# Allegro board A733_PRO2_AXP318_LPDDR4_4X_200BALL_32X1_V1_1.brd (continued)
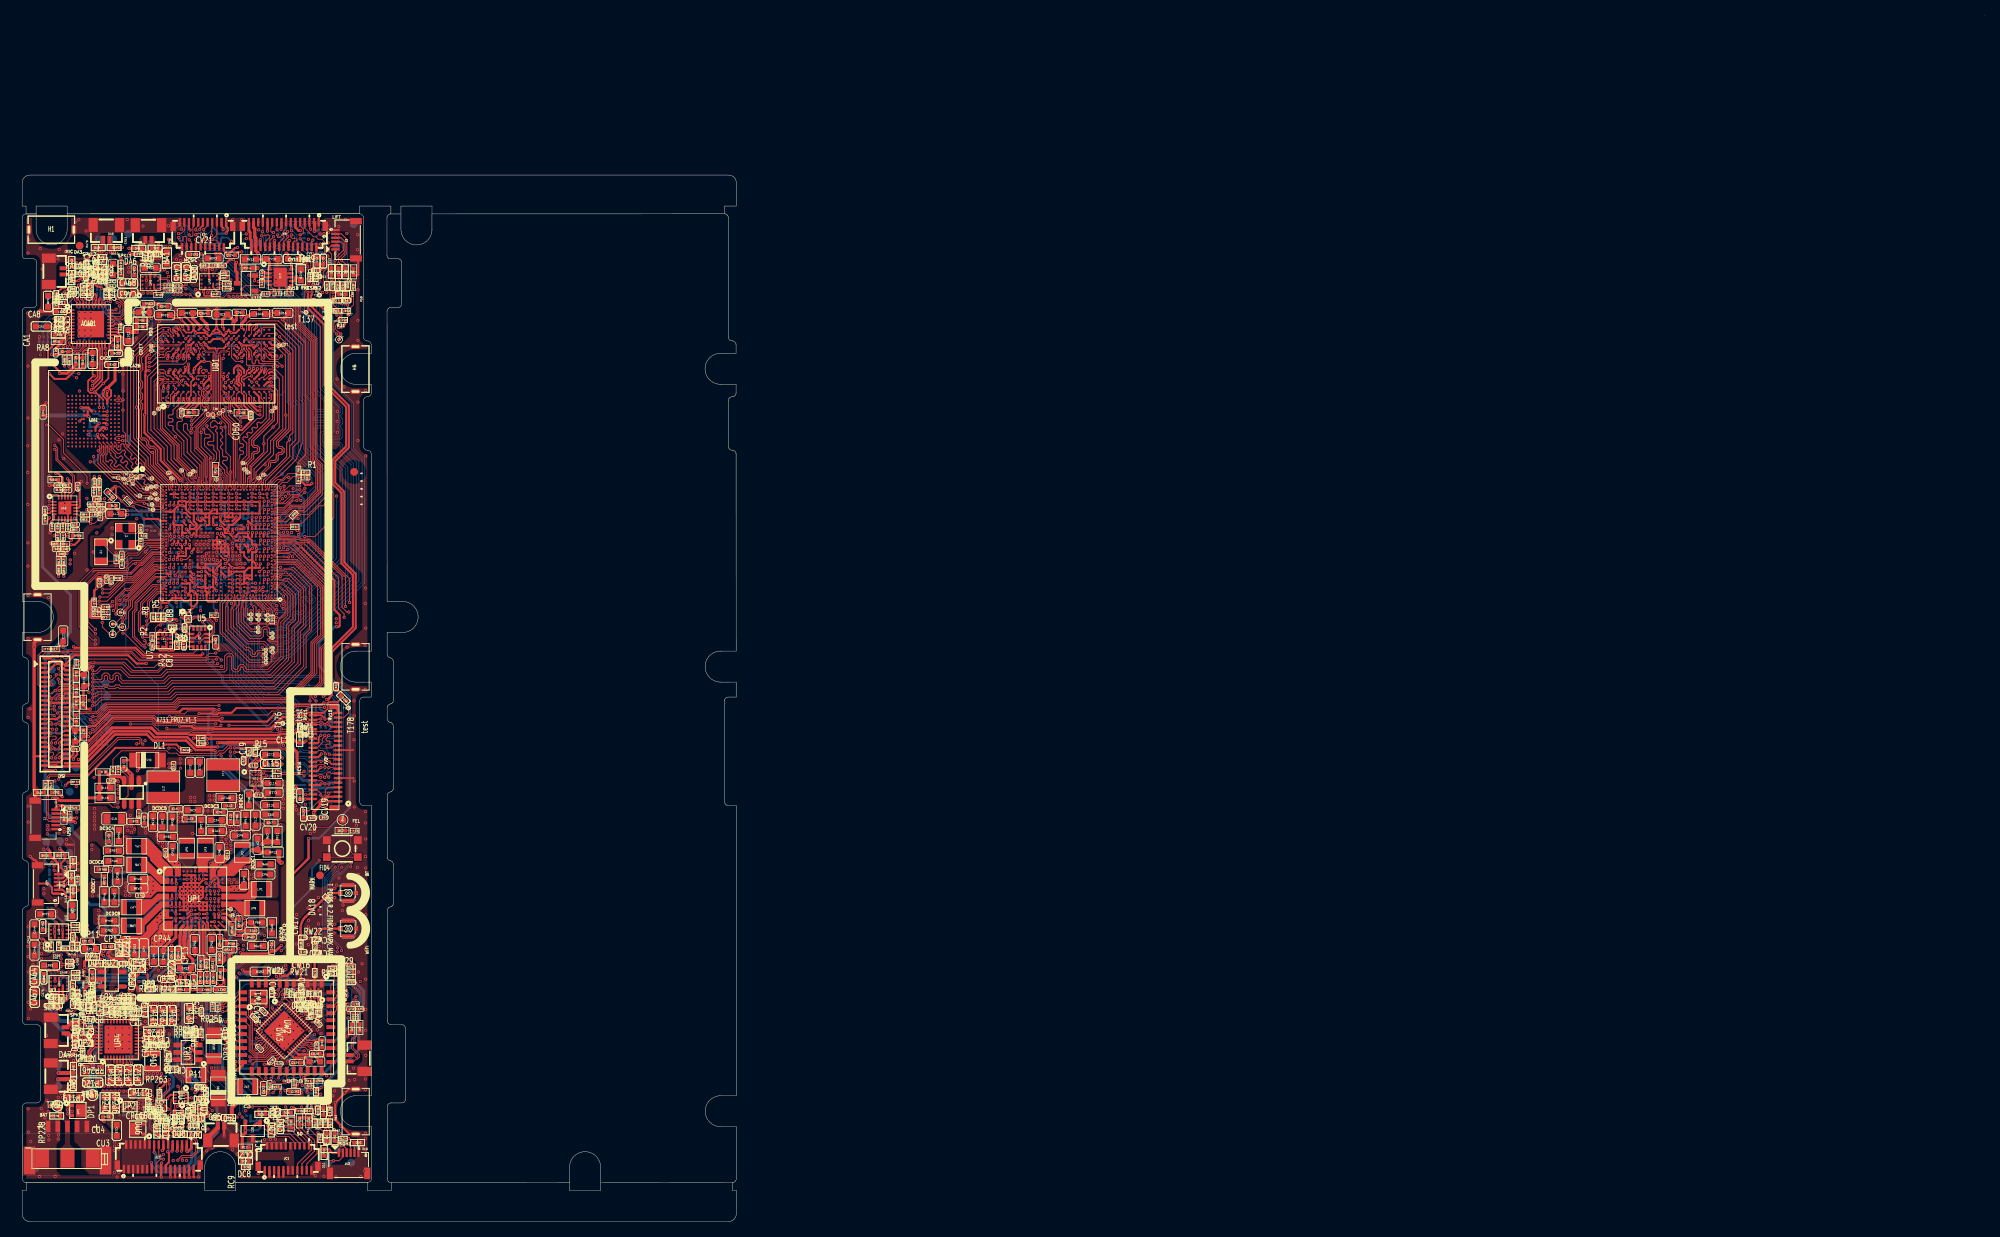
[diagram p0: board, top side]
## Nets (continued)
N21860949: RP251.2 UP4.23(DP)
N21860967: RP252.2 UP4.24(DM)
N21861035: CP130.1 RP250.1
N21864664: DP3.1 LP11.2 UP3.1(SW)
N21864670: RP254.1 RP258.1 UP3.4(EN)
N21864720: RP255.2 RP256.1 UP3.3(FB)
N21864746: RP257.1 UP3.6(NC)
N21916813: RP29.2 UP1.P9(BLDO5)
N21916865: RP36.2 UP1.M10(CLDO1)
N21939300: CA38.2 UA2.A4(CN)
N21939303: CA38.1 UA2.A3(CP)
N21946591: CA39.2 CA45.2 UA2.A2(PVDD)
N21947424: RA40.2 UA2.D1(AD1-0) UA2.D2(AD1-1)
N21947486: RA89.2 UA2.C3(AD2-0) UA2.C4(AD2-1)
N21949056: RA44.1 UA2.C1(VON)
N21949059: RA47.1 UA2.A1(VOP)
N21951788: CA63.1 CA68.2 UA5.A2(PVDD)
N21952061: CA62.2 UA5.A3(CP)
N21952064: CA62.1 UA5.A4(CN)
N21952975: RA49.2 UA5.D1(AD1-0) UA5.D2(AD1-1)
N21953002: RA92.2 UA5.C3(AD2-0) UA5.C4(AD2-1)
N21962028: CA43.2 UA3.A3(CP)
N21962031: CA43.1 UA3.A4(CN)
N21966863: CA44.1 CA46.2 UA3.A2(PVDD)
N21969075: RA93.2 UA3.E3(SDA)
N21969078: RA94.2 UA3.E4(SCL)
N21970454: RA43.1 UA3.C1(VON)
N21970832: RA95.2 UA3.D1(AD1-0) UA3.D2(AD1-1)
N21970854: RA39.2 UA3.C3(AD2-0) UA3.C4(AD2-1)
N21972441: CA64.1 CA67.2 UA4.A2(PVDD)
N21972752: CA66.2 UA4.A4(CN)
N21972755: CA66.1 UA4.A3(CP)
N21973400: RA96.2 UA4.E3(SDA)
N21973402: RA97.2 UA4.E4(SCL)
N21973944: RA50.2 UA4.C3(AD2-0) UA4.C4(AD2-1)
N21974333: RA98.2 UA4.D1(AD1-0) UA4.D2(AD1-1)
N21975422: RA52.1 UA4.C1(VON)
N21975425: RA56.1 UA4.A1(VOP)
N21995924: CP137.2 RP249.2 UP4.27(VCONN)
N22008209: RC1.1 U1.AD1(PF2/SDC0-CLK/UART0-TX/TRACE-CLK)
N22008298: RV1.1 U1.1B5(PE5/MCSI1-MCLK/PLL-LOCK-DBG/PWM)
N22008512: RM1.1 T109.1(TP) U1.AK36(PC5/NAND-RE/SDC2-CLK/SDC3-CLK/P)
N22031966: RP261.1 UP5.A1(CC2)
N22031968: RP259.1 UP5.C1(CC1)
N22161929: JV2.4(VAF28) RV5.2 T157.1(TP)
N22195541: RA99.2 U1.AF2(PB4/PWM0-0/I2S0-MCLK/SPI2-CS1/H)
N22198094: R71.1 TP13.1(TP) U1.1P26(CPU-PLLTEST)
N22198107: R70.1 TP12.1(TP) U1.1T26(PLLTEST)
N22225433: LW2.1 UW2.21(VIN_LDO_OUT)
N22225437: CW23.2 LW2.2 UW2.23(VIN_LDO)
N22225464: RW34.2 UW2.24(LPO)
N22225494: CW17.2 DA18.2(CATHODE) JW1.1(TX/RX) RW18.2
N22225500: RW62.1 UW2.34(BT_RST_N)
N22225560: CW20.2 RW21.2 RW22.1
N22225566: CW21.2 JW2.1(TX/RX) RW22.2
N22315372: RV26.1 U1.A6(PE0/MCSI0-MCLK/CSI0-XHS/SPI3-CS)
N22390215: RD3.1 UD1.A5(ZQ0)
N22390216: RD4.1 UD1.A8(ZQ1)
N22390237: RD2.1 UD1.T2(ODT_CA_B)
N22390238: RD1.1 UD1.G2(ODT_CA_A)
N22390587: RD5.1 U1.AT20(SZQ)
N22390600: T1.1(TP) U1.AT19(SATO)
N22390601: T2.1(TP) U1.1AB12(SDTO)
N22408790: CW2.1 RW36.2 UW1.3(TR_2)
N22408792: CW6.2 RW35.2 UW1.1(TR_5)
N22408809: CW7.1 UW3.42(DVDD_BT)
N22408824: LW3.1 UW3.39(WF_IND2G4)
N22408870: CW1.1 RW36.1 UW3.38(WF_RF2G4)
N22408895: CW5.2 RW35.1 UW3.37(WF_RF5G)
N22408955: CW29.1 LW1.1 UW3.27(V_RF)
N22409215: LW4.1 UW3.43(BT_IND)
N22409226: CW8.1 UW3.41(AVDD3)
N22409275: CW12.1 UW3.31(AVDD1)
N22409321: LW1.2 UW3.25(SW)
N22409347: CW30.2 LW5.2 UW3.44(BT_RF)
N22409389: CW31.2 CW32.2 LW5.1
N22422546: RW60.2 UW3.45(PWR_BT)
N22422800: RW61.2 UW3.46(GPIOB0)
N22729607: CP142.1 UP4.21(NC(VAC))
N22729610: CP143.1 UP4.22(NC(OVP))
N1920231412: RP21.2 UP1.C3(TS)

Pads without a net: FID1 1; FID2 1; FID3 1; FID4 1; JV1 6 27; JV2 27 28 29 30; JV3 6; U1 1A13 1A15 1AB23 1AB24 1AB26 1AE6 1AF6 1B13 1B25 1B26 1C3 1C13 1D13 1E3 1E4 1E13 1F25 1H23 1H24 1L3 1M25 1Y22 1Y23 1Y24 1Y26 A18 A21 A22 A24 A25 A27 A30 A36 AB37 AD36 AD37 AE36 AE37 AG36 AG37 AH36 AH37 AL1 AT2 AT6 AT28 AT33 AU6 AU28 AU33 B1 B6 B18 B19 B20 B21 B22 B24 B25 B27 B30 B31 B32 B34 B35 B36 C2 F37 G37 P2 W1; U2 2 3 10 11; U7 10; UD1 A1 A2 A11 A12 AA1 AA12 AB1 AB2 AB11 AB12 B1 B12 G11 K5 K8 N5 N8; UM1 A1 A2 A7 A8 A9 A10 A11 A12 A13 A14 B1 B7 B8 B9 B10 B11 B12 B13 B14 C1 C3 C5 C7 C8 C9 C10 C11 C12 C13 C14 D1 D2 D3 D4 D12 D13 D14 E1 E2 E3 E5 E8 E9 E10 E12 E13 E14 F1 F2 F3 F10 F12 F13 F14 G1 G2 G3 G10 G12 G13 G14 H1 H2 H3 H12 H13 H14 J1 J2 J3 J12 J13 J14 K1 K2 K3 K6 K7 K10 K12 K13 K14 L1 L2 L3 L12 L13 L14 M1 M2 M3 M7 M8 M9 M10 M11 M12 M13 M14 N1 N3 N6 N7 N8 N9 N10 N11 N12 N13 N14 P1 P2 P7 P8 P9 P10 P11 P12 P13 P14; UNK* 1; UNK*#2 1; UW2 5 8 10 11 32 35 37 38 39 40; UW3 8 9

## Via types
v1: diameter 0.406, hole 0.203, TOP to BOTTOM, 2058 vias
v2: diameter 0.4, hole 0.2, TOP to BOTTOM, 1 via

## Routing (per net, layer and track width the routed paths; a pad name or vN(x,y) marks a point on that pad's centre or on a via; arc(x,y) is an arc through that point)
AGND: length 2.3
  BOTTOM w0.254: v1(20.28,83.27) 20.28,83.61 C1.1 20.22,84.04 C4.1 ; v1(20.28,83.27) 19.92,82.91 R11.1 ; v1(20.28,83.27) 20.37,83.18 C3.1
AVCC: length 188.3
  TOP w0.178: v1(26.18,84.89) 26.22,84.89 26.62,85.29 U1.1J11
  TOP w0.254: v1(40.11,119.32) 40.11,119.3 40.13,119.29 40.13,119.18 40.32,118.99 40.32,118.86 R27.1 ; CP35.2 24.65,32.3 v1(24.58,32.36) 24.57,32.37 RP33.1 ; U1.1T20 22.12,88.75 v1(21.79,88.41) ; U1.1V12 25.55,90.42 v1(25.55,90.93)
  TOP w0.305: v1(38.53,17.3) 38.23,17 R49.1 ; v1(19.94,77.58) 19.82,77.7 R5.1 R2.1 17.53,77.71 R8.1
  L3 w0.305: v1(27.99,32.04) 27.16,32.87 25.09,32.87 v1(24.58,32.36) 23.63,33.31 21.62,33.31 21.53,33.22 16.97,33.22 v1(16.53,32.78) ; v1(12.53,109.7) 13.26,110.43 13.26,111.66 15.68,114.08 15.68,117.42 17.25,119 18.09,119 20.58,121.49 21.47,121.49 22.22,120.74 24.41,120.74 25.18,119.96 26.08,119.96 26.95,120.83 27.29,120.83 29.02,122.55 32.34,122.55 35.9,118.99 v1(37.65,118.99)
  L3 w0.381: v1(20.4,58.5) 20.24,58.5 19.77,58.97 19.77,77.41 v1(19.94,77.58)
  L4 w0.254: 21.99,86.84 21.99,87.75 21.79,87.94 v1(21.79,88.41) 21.76,88.44 21.76,88.7 21.64,88.82 20.86,88.82 20.61,89.08 20.61,89.6 20.28,89.93 20.28,90.5 21.14,91.36 21.36,91.36 ; v1(13.55,91.76) 13.25,91.76 10.92,94.09 10.92,95.75 9.32,97.34 8.85,97.34 8.08,98.11 8.08,104.48 10.03,106.43 10.03,108.76 10.98,109.7 v1(12.53,109.7)
  L4 w0.305: v1(40.11,119.32) 37.98,119.32 v1(37.65,118.99)
  L4 w0.381: v1(13.55,91.76) 20.29,91.76 20.43,91.9 20.82,91.9 21.19,91.53 21.19,91.53 21.36,91.36 25.02,91.36 25.45,90.93 v1(25.55,90.93) ; v1(16.53,32.78) 16.53,32.82 16.57,32.86 16.57,32.87 16.67,32.97 16.67,34.27 15.82,35.13 15.82,36.88 16.39,37.45 16.39,39.84 17.91,41.36 17.91,46.63 19.11,47.83 19.11,52.55 19.81,53.25 20.52,53.25 20.74,53.47 20.74,58.16 v1(20.4,58.5)
  BOTTOM w0.254: R12.1 18.09,83.12 v1(17.55,82.58) ; C39.1 20.78,88.86 21.5,88.86 21.79,88.56 v1(21.79,88.41)
  BOTTOM w0.305: CD43.1 25.92,91.46 CD44.1 25.67,91.05 v1(25.55,90.93) ; R71.2 R70.2 C50.1 15.39,91.69 C38.1 14.75,91.7 C5.1 13.6,91.7 v1(13.55,91.76)
  BOTTOM w0.381: v1(38.53,17.3) 43.38,22.15 43.38,27.32 44.03,27.96 44.03,29.76 42.73,31.05 42.72,31.05 42.7,31.06 34.67,31.06 33.55,32.18 30.16,32.18 29.92,31.94 28.09,31.94 v1(27.99,32.04)
  vias: v1(21.59,84.35)
AVDD: length 34.1
  TOP w0.305: JL1.45 4.39,58.83 4.5,58.73 7.73,58.73 7.75,58.75 7.87,58.75 11.96,62.84 16.07,62.84 16.86,62.05 21.14,62.05 22.36,60.83 24.76,60.83 24.84,60.76 v1(24.87,60.76)
  BOTTOM w0.305: v1(31.29,54.71) 31.05,54.95 29.79,54.95 24.87,59.87 v1(24.87,60.76)
AVDD18: length 1.1
  TOP w0.203: CW13.2 31.7,26.93 UW3.5
AVDD-H-COMB0: length 230.8
  TOP w0.203: v1(20.63,91.42) 21.05,91.42 U1.1Y21 ; UM1.P5 UM1.N4 UM1.P3
  TOP w0.254: v1(25.04,77.57) 24.74,77.86 24.74,77.86 24.47,78.13 R74.1 ; v1(6.62,74.15) 6.74,74.04 6.99,74.04 7.01,74.03 14.63,74.03 15.62,73.04 23.08,73.04 v1(23.29,73.24) ; 11.06,107.59 11.15,107.5 11.16,107.5 11.46,107.21 UM1.P3 ; UM1.N4 UM1.M4 ; v1(9.74,101.56) 9.74,101.23 UM1.C6 ; v1(29.07,89.81) 29.12,89.76 U1.1U6 ; v1(10.47,107.03) 10.47,106.98 10.46,106.97 UM1.P5
  TOP w0.305: 11.06,107.59 10.85,107.59 10.52,107.26 10.52,107.09 v1(10.47,107.03) ; RP42.1 23.89,29.93 CP37.2 25.11,30.07 25.54,30.49 25.93,30.49 v1(26.01,30.57) ; v1(33.88,62.43) 33.81,62.37 33.28,62.37 33.21,62.29 23.93,62.29 v1(23.88,62.24) 23.88,62.27 23.76,62.39 RP2.1
  TOP w0.381: 11.06,107.59 11.98,108.51 CM3.1 ; v1(26.01,30.57) 26.01,31.17 25.58,31.59 RP38.1
  L3 w0.254: v1(33.88,62.43) 33.87,62.44 33.87,63.74 33.42,64.18 33.42,70.1 34.64,71.32 34.64,75.5 36.41,77.27 36.41,87.41 35.81,88.01 34.02,88.01 33.28,88.75 33.28,89.53 32.5,90.32 29.55,90.32 29.08,89.85 v1(29.07,89.81)
  L3 w0.381: v1(10.47,107.03) 9.43,105.99 9.43,101.89 9.74,101.59 v1(9.74,101.56) 9.74,101.42 7.11,98.79 7.11,95.07 7.82,94.36 9.52,94.36 v1(10.61,93.27) 9.37,92.02 9.37,89.42 8.14,88.19 8.14,86.51 6.78,85.15 6.78,74.31 v1(6.62,74.15) 6.62,73.23 6.12,72.72 6.12,61.99 5.28,61.15 5.28,56.68 5.1,56.5 5.1,55.83 5.7,55.23 5.7,53.77 5.6,53.67 5.6,51.42 6.6,50.42 6.6,47.05 6.69,46.96 6.69,39.22 6.63,39.15 6.63,36.74 7.04,36.32 7.04,24.94 7.65,24.33 8.36,24.33 8.86,23.84 9.55,23.84 9.99,23.4 9.99,22.73 11.51,21.21 19.22,21.21 21.51,23.49 v1(23.26,23.49)
  L4 w0.254: v1(23.88,62.24) 23.88,62.96 23.29,63.55 v1(23.29,73.24) 23.29,73.66 23.97,74.34 23.97,75.17 25.04,76.24 v1(25.04,77.57)
  L4 w0.381: v1(20.63,91.42) 20.6,91.42 20.43,91.25 14.35,91.25 13.82,90.73 12.83,90.73 10.65,92.91 10.65,93.23 v1(10.61,93.27)
  BOTTOM w0.254: RM4.2 11.04,106.4 10.55,106.89 10.55,106.96 v1(10.47,107.03) 9.89,106.45 RM5.2 ; v1(29.07,89.81) 29.12,89.86 C133.1 ; C10.1 20.62,91.41 v1(20.63,91.42) 20.5,91.54 C125.1 19.98,91.63 R15.1
  BOTTOM w0.305: v1(9.74,101.56) 9.56,101.38 CM6.1
  BOTTOM w0.381: v1(23.26,23.49) 23.74,23.98 23.74,29.39 24.56,30.2 25.64,30.2 v1(26.01,30.57)
AVEE: length 31
  TOP w0.254: UL1.A2 30.09,58.84 CL13.2
  TOP w0.305: CL12.2 31.33,60.24 30.45,59.36 30.31,59.36 v1(30.26,59.31) 30.09,59.14 CL13.2 ; JL1.44 7.55,59.13 7.58,59.16 7.69,59.16 11.78,63.24 16.33,63.24 17.09,62.48 21.29,62.48 22.54,61.24 25.18,61.24 v1(25.19,61.23)
  BOTTOM w0.305: v1(25.19,61.23) 25.2,61.24 25.79,61.24 26.13,61.58 27.6,61.58 29.88,59.31 v1(30.26,59.31)
DVDD: length 2.4
  TOP w0.203: UA6.19 5.11,94.16 CA79.1 CA80.1
  TOP w0.254: CA80.1 4.9,95.18 4.65,95.43 RA60.2
DVDD-CSI-F: length 113.9
  TOP w0.254: v1(25.32,39.68) 25.32,39.68 UP1.N14 ; JV2.3 39.42,54.82 39.4,54.8
  TOP w0.381: 39.4,54.8 39.24,54.8 38.41,53.98 38.41,53.66 37.57,52.82 v1(37.57,52.74) 37.6,52.72 CV19.1 ; CP55.2 28.4,37.5 v1(27.72,37.5)
  TOP w0.406: JV1.3 37.71,128.85 37.71,127.81 v1(37.68,127.77)
  L3 w0.305: v1(31.24,36.91) 31.24,37.9 31.75,38.41 31.75,41.9 32.89,43.04 32.89,46.67 37.57,51.36 v1(37.57,52.74) 37.57,54.53 37.33,54.77 37.33,57.82 37.33,57.82 37.33,66.17 36.55,66.95 36.55,69.03 37.37,69.85 37.37,74.52 38.87,76.02 38.87,94.19 39.61,94.93 39.61,117.93 40.57,118.9 40.57,120.04 39.47,121.15 39.47,123.42 38.92,123.96 38.92,126.26 38.63,126.56 38.62,126.56 37.68,127.5 v1(37.68,127.77)
  BOTTOM w0.102: T135.1 37.63,127.82 v1(37.68,127.77)
  BOTTOM w0.254: CV7.1 37.98,127.77 v1(37.68,127.77) ; v1(37.57,52.74) 38.1,52.22 T154.1
  BOTTOM w0.305: v1(31.24,36.91) 31.01,37.13 28.2,37.13 27.83,37.5 v1(27.72,37.5) 27.51,37.5 v1(25.32,39.68)
DVDD-CSI-R2: length 125.8
  TOP w0.254: v1(25.9,127.96) 25.9,128.21 25.71,128.4 JV3.3 ; UP1.N13 24.82,39.59 v1(24.75,39.66) ; v1(39.28,67.36) 39.48,67.36 39.6,67.48 39.6,67.58 39.94,67.92 39.94,73.5 43,76.57 43,83.57 41.52,85.05 41.52,94.16 40.37,95.31 40.37,98.11 42.13,99.87 42.13,105.27 40.36,107.05 40.36,107.07 39.34,108.09 39.34,116.03 37.22,118.15 37.22,119.46 37.36,119.59 v1(37.36,119.93)
  TOP w0.305: v1(28.13,34.68) 28.24,34.57 31.81,34.57 CP141.2 32.68,34.92 33.04,35.28 33.09,35.28 v1(33.41,35.6)
  L3 w0.254: v1(33.41,35.6) 33.8,35.99 33.8,41.1 35.3,42.59 35.3,45.46 39.8,49.96 39.8,54.34 38.07,56.07 38.07,57.49 38.07,57.49 38.07,65.03 38.78,65.74 39,65.74 39.52,66.26 39.52,67.12 v1(39.28,67.36) ; v1(25.9,127.96) 25.9,127.71 25.88,127.69 25.88,127.33 26.23,126.97 27.17,126.97 28.13,126.02 29.17,126.02 29.42,125.77 34.16,125.77 34.6,125.33 34.6,124.17 36.33,122.44 36.33,121.04 37.28,120.09 37.28,120 v1(37.36,119.93)
  L4 w0.305: v1(24.75,39.66) 24.75,39.43 25.62,38.56 25.62,37.5 26.25,36.88 26.27,36.88 26.54,36.61 26.54,35.51 27.44,34.61 28.13,34.61 v1(28.13,34.68)
  BOTTOM w0.254: v1(25.9,127.96) 26.02,127.96 26.19,128.14 CV26.1
GND: length 1067.6
  TOP w0.076: v1(29.79,95.22) 29.77,95.2 U1.AT8 ; v1(17.87,113.79) 17.53,113.45 ; 17.53,113.45 16.64,113.45 16.45,113.27 ; 17.53,113.45 UD1.A10 ; 27.3,102.02 27.71,101.61 27.71,95.37 v1(27.6,95.26) 27.52,95.18 27.52,94.62 27.75,94.4 U1.AT13 U1.AT12 28.19,94.4 28.43,94.64 28.43,95.02 28.3,95.16 28.3,97.67 28.36,97.73 ; 18.42,87.74 18.33,87.84 18.08,87.84 17.84,87.6 15.81,87.6 15.67,87.46 ; v1(26.28,105.03) 25.75,105.56 25.75,106.52 26.03,106.8 v1(26.26,106.8) ; v1(26.17,102.51) 26.17,102.93 v1(25.08,104.02) ; U1.AT26 22.57,95.73 22.3,96 v1(22.28,96) 22.38,96.1 22.38,96.84 20.52,98.7 20.52,100.48 v1(19.75,101.24) 18.44,102.56 18.44,105.46 17.93,105.96 17.93,107.2 18.22,107.49 v1(18.23,107.49) ; v1(25.08,104.02) 25.09,104.04 25.09,112.45 v1(25.09,112.45) ; v1(25.08,104.02) 24.79,103.73 24.42,103.73 23.03,102.35 23.03,101.87 v1(23.08,101.82) ; 18.82,95.67 19.08,95.41 v1(19.29,95.41) ; UD1.K2 24.37,106.74 24.37,104.79 24.01,104.44 23.82,104.44 23.54,104.16 23.54,103.88 22.14,102.48 22.09,102.48 21.99,102.37 21.97,102.37 21.87,102.28 21.83,102.28 v1(21.83,102.27) 22.18,101.92 22.18,99.47 23.41,98.24 23.41,95.29 v1(23.46,95.24) 23.61,95.09 23.61,94.64 U1.AT24 ; 18.51,87.2 18.27,86.96 18.08,86.96 18.05,86.99 17.83,86.99 ; U1.T36 18.34,86.64 17.95,86.64 17.77,86.46 16.75,86.46 ; v1(17.45,108.23) 17.45,108.23 17.26,108.04 17.26,104.63 17.39,104.49 17.39,102.38 18.85,100.92 ; U1.U2 33.06,86.8 v1(33.19,86.93) ; v1(33.55,93.26) 33.25,92.96 32.48,92.96 32.24,93.2 U1.AN2 ; U1.AC2 33.07,89.2 33.35,88.92 v1(33.69,88.92) ; U1.H2 v1(33.3,83.2) ; v1(26.99,79.77) 27.22,80 27.22,80.52 26.97,80.77 U1.B15 ; U1.AT17 26.17,96.09 25.83,96.44 25.83,96.64 25.5,96.96 v1(25.5,96.97) ; U1.AJ36 18.52,91.55 16.61,91.55 ; UD1.N2 25.75,107.3 25.75,108.4 UD1.N4 25.75,108.9 25.75,111.2 v1(25.92,111.37) ; 23.15,112.76 23.48,113.08 v1(23.7,113.08) ; U1.L2 33.28,84.4 33.29,84.39 v1(33.31,84.39) ; 18.83,88.78 18.83,87.69
  TOP w0.089: UL1.E1 29.78,56.48 29.85,56.5 29.96,56.62 29.99,56.66 30.01,56.71 30.01,56.71 UL1.D2
  TOP w0.102: U1.B33 19.35,81.23 v1(19.2,81.23) ; v1(26.17,102.51) 26.17,102.41 26.26,102.32 26.26,99.28 26.84,98.7 26.84,96.73 v1(26.88,96.7) ; R6.1 35.62,97.59 v1(35.69,97.66) ; 32.94,74.85 31.95,74.85 31.81,74.99 v1(31.81,75.06) ; 32.94,74.85 32.94,77.17 ; 32.94,74.85 32.94,73.6 32.42,73.07 32.36,73.07 v1(32.25,72.96) 32.15,72.86 32.15,72.26 31.65,71.77 v1(31.06,71.77) ; v1(12.85,92.95) 13.53,92.27 v1(14.3,92.27) 15.02,91.55 16.61,91.55 ; v1(15.54,75.41) 15.6,75.35 16.29,75.35 16.66,75.72 R46.2 ; 23.15,112.76 23.02,112.63 23.02,112.55 22.88,112.41 22.88,112.1 23.02,111.96 23.02,111.79 23.48,111.32 v1(23.48,110.97) ; v1(13,106.02) v1(13,107.16) v1(13,109.35) 13,111.99 14.72,113.7 v1(14.72,114) ; v1(13,106.02) 12.87,106.02 12.62,106.26 12.29,106.26 12.04,106.01 UM1.N2 11.96,105.99 12.19,105.76 12.74,105.76 v1(13,106.02) ; v1(13,106.02) v1(13,104.69) 13,101.97 13.32,101.65 13.32,100.39 13.37,100.34 13.37,100.33 v1(13.62,100.07) ; 23.95,9.36 24.52,9.36 24.61,9.39 24.8,9.59 ; v1(12.09,94.8) 12.57,94.8 14.55,92.82 15.59,92.82 v1(15.76,92.66) 15.97,92.66 16.41,92.22 17.83,92.22 18.05,92 U1.AK37 ; 32.94,77.17 32.85,77.08 32.57,77.08 32.55,77.1 v1(31.62,77.1) 30.55,77.1 v1(30.5,77.15) 30.47,77.18 v1(29.5,77.18) ; 32.94,77.17 33.04,77.27 33.04,77.63 34.01,78.6 34.01,79.84 33.69,80.16 v1(33.68,80.16) 33.59,80.16 33.35,80.4 U1.A1 ; v1(13.58,84.16) 14.3,84.88 v1(14.58,84.88) 14.76,85.06 15.36,85.06 16.75,86.46 ; v1(27.36,102.67) 27.36,102.86 26.28,103.94 v1(26.28,105.03) ; 26.87,105.46 26.87,105.9 26.65,106.11 UD1.P1 ; 4.19,37.12 v1(4.19,37.2) 4.19,37.38 4.18,37.38 ; v1(31.64,78.75) 30.17,80.21 U1.A7 ; v1(23.08,101.82) 23.07,101.81 23.07,99.95 24.31,98.71 24.31,98.53 v1(24.3,98.52) ; 21.51,128.09 21.51,128.07 21.63,127.94 v1(21.66,127.94) ; v1(34.37,96.02) 34.35,96.01 34.07,96.01 33.63,95.56 33.27,95.56 32.57,94.86 U1.AU1 ; UW3.49 33.27,24.04 ; U1.1B3 30.62,81.73 v1(30.12,81.23)
  TOP w0.114: v1(24.3,98.52) 24.12,98.35 24.12,94.85 U1.AU22 ; v1(35.69,97.66) 35.62,97.74 35.62,97.99 36.51,98.88 36.51,113.42 v1(33.59,116.34) 33.27,116.66 32.27,116.66 32.07,116.85 v1(32.07,116.89) 32.04,116.89 31.84,117.09 31.8,117.09 ; v1(13.62,100.07) 13.62,99.97 15.74,97.85 15.74,97.24 17.63,95.35 17.63,95.34 U1.AU37 ; v1(30.12,81.23) 30.11,81.23 29.98,81.35 29.93,81.35 ; v1(29.24,95.97) 29.07,95.79 29.07,94.89 U1.AU10
  TOP w0.127: v1(23.74,105.05) 23.46,105.05 23.24,105.27 23.24,106 23.4,106.16 UD1.J1 23.4,106.37 23.13,106.64 23.13,107.19 23.4,107.47 23.4,107.48 ; 30.98,95.17 31.11,95.31 31.11,95.68 34.11,98.67 34.11,100.48 v1(34.49,100.86) 34.49,101.39 34.9,101.8 34.9,112.44 v1(33.19,114.15) ; 23.4,107.48 23.82,107.05 UD1.K2 ; 23.4,107.48 UD1.J3 ; U1.1J13 25.62,85.32 25.62,85.32 25.62,85.3 25.61,85.29 25.61,85.23 25.32,84.94 25.27,84.94 25.25,84.92 25.2,84.92 U1.1H14 ; 27.3,102.11 27.3,102.61 v1(27.36,102.67) ; 28.36,97.73 v1(28.47,97.85) 29.26,98.63 29.26,100.93 31.85,103.52 31.85,105.78 32.13,106.06 32.13,106.55 v1(32.03,106.65) ; 26.87,105.46 26.87,104.46 26.98,104.35 v1(27.01,104.35) ; 29.25,112.21 28.92,112.54 28.92,113.01 28.89,113.03 ; 9.08,83.78 9.28,83.98 13.4,83.98 v1(13.58,84.16) ; v1(32.59,113.07) 33.94,111.73 33.94,104.09 v1(33.99,104.04) 33.99,102.32 32.42,100.75 32.42,98.97 31.31,97.86 v1(31.31,97.66) 31.11,97.66 30.15,96.7 30.15,95.57 v1(29.79,95.22) ; 16.45,113.27 14.75,111.57 14.75,110.41 v1(14.85,110.31) 14.75,110.21 v1(14.75,105.05) 14.75,101.09 16.61,99.24 v1(16.82,99.24) 16.91,99.15 16.91,97.58 18.82,95.67 ; 21.79,113.14 21.79,112.26 v1(21.77,112.24) ; 18.85,100.92 19.59,100.18 19.59,98.46 21.22,96.84 21.22,96.34 21.41,96.15 21.41,95.76 v1(21.91,95.25) ; UD1.E8 20.8,111.98 21.12,112.29 21.12,113.01 v1(21.18,113.08) ; U1.AU15 26.9,94.88 26.9,96.65 26.88,96.67 v1(26.88,96.7) ; 32.36,107.76 32.92,107.21 32.92,103.07 v1(32.36,102.51) 31.16,101.31 v1(31.16,100.36) 31.16,99.27 29.39,97.5 29.39,96.11 v1(29.24,95.97) ; U1.AT30 21.28,94.71 21.28,95.07 v1(21.19,95.17) ; 17.83,86.99 16.55,86.99 ; v1(28.32,112.28) v1(28.32,113.08)
  TOP w0.152: UL1.B3 30.86,57.59 v2(31.15,57.87) ; UD1.K2 24.37,107.37 24.37,108.34 ; v1(23.48,110.97) 24.2,110.97 24.37,110.8 24.37,109.22 ; UD1.K4 24.37,108.34 ; 24.37,108.34 24.37,109.22 ; 29.25,112.21 29.25,112.15 UD1.V8 ; 24.37,109.22 v1(24.16,109.01) ; v1(25.09,112.45) 25.29,112.65
  TOP w0.178: UP1.P14 UP1.R15 25.99,38 v1(26.25,38) ; v1(30.14,22.22) 30.44,22.52 CW27.1 ; 25.29,112.65 UD1.N9 ; 30.98,95.17 v1(30.97,95.17) U1.AT5 ; v1(25.6,89.79) 25.69,89.79 U1.1U12
  TOP w0.203: v1(30.26,59.82) 30.16,59.71 30.09,59.71 29.59,59.21 CL13.1 ; U1.AU34 19.37,95.33 v1(19.29,95.41) ; JV3.11 23.31,128.52 22.89,128.1 v1(22.89,128) ; U1.AU19 25.37,95.28 v1(25.5,95.4) ; v1(23.4,119.99) 23.44,119.95 23.44,119.56 23.57,119.43 24.48,119.43 24.71,119.66 RA40.1 ; JV3.14 22.41,126.66 v1(22.38,126.68) ; UA6.15 5.69,92.86 v1(5.5,92.67) ; v1(5.5,92.16) 5.8,92.46 UA6.14 ; CA25.2 9.08,109.31 v1(9.29,109.1) 9.17,109.1 8.64,108.57 8.64,108.57 8.5,108.43 8.5,107.19 8.75,106.93 9.27,106.93 v1(9.35,107.02) ; RL5.2 28.98,61.11 v1(27.4,61.11) ; v1(5.5,91.65) 5.91,91.25 UA6.9 ; 42.72,57.23 42.71,57.22 JV2.11 ; UD1.T5 27.95,109.32 27.64,109.01 27.64,108.31 v1(27.55,108.22) ; RV17.1 34.15,120.38 33.29,121.24 UV1.11 33.14,121.68 RV19.1 ; JV2.14 38.05,58.12 v1(38.53,58.6) ; JV2.38 38.61,65.32 39.04,64.89 v1(39.04,64.82) ; v1(10.37,82.14) 10.47,82.24 10.54,82.24 10.78,82.48 10.78,82.5 C51.2 11.04,82.76 11.13,82.76 11.39,83.03 C37.2 ; v1(6.76,90.75) 7.07,90.44 CA102.2 7.07,89.27 CA81.2 ; UM1.C4 10.92,101.01 10.59,101.34 10.46,101.47 v1(10.24,101.47) ; v1(9.35,107.02) v1(10.47,108.13) 11.13,108.79 CM3.2 10.75,110.94 10.75,112.04 v1(10.77,112.05) ; v1(9.35,107.02) 9.5,106.87 9.58,106.87 9.95,106.51 UM1.P6 UM1.N5 ; 40.98,69.53 40.72,69.27 CV9.1 ; v1(8.34,91.83) 8.36,91.85 CA99.2 ; v1(7.42,103.28) 7.66,103.51 UM1.H10 ; v1(27.4,60.55) 28.01,60.55 28.54,60.02 CL9.1 ; UP1.P11 23.98,38.51 23.98,37.72 24.02,37.68 24.02,37.65 v1(24.06,37.62) ; v1(38.51,62.73) 38.23,62.46 38.23,61.84 38.11,61.72 JV2.26 ; 42.65,60.82 JV2.23 ; UD1.G12 22.1,114.99 21.8,114.69 21.16,114.69 UD1.E12 ; CA24.2 8.55,121.39 8.55,121.01 8.76,120.81 CA23.2 ; v1(39.54,64.09) 39.81,63.82 JV2.33 ; CA82.2 CA101.2 ; CA92.2 7.2,95.08 v1(7.61,95.49) ; JV2.17 39.89,59.02 v1(39.56,59.35)
  TOP w0.229: U1.1M13 U1.1L13 U1.1L12 ; U1.1M13 U1.1M14 ; U1.1M13 25.62,87.2 v1(25.55,87.27) ; U1.1M13 26.15,86.85 ; v1(29.12,83.26) 29.12,82.98 29.25,82.85 U1.1D5 ; v1(29.12,83.26) 29.03,83.35 U1.1E7 ; v1(29.12,83.26) 28.72,82.85 U1.1D7 ; v1(20.63,92.41) 20.61,92.4 20.14,92.4 v1(20.12,92.43) 20.12,92.43 U1.1AD24 20.21,92.94 v1(20.61,92.94) ; U1.1F11 U1.1E11 26.78,83.35 v1(27.14,83.71) ; U1.1F11 27,83.85 v1(27.14,83.71) ; U1.1F11 U1.1G11 ; U1.1M14 U1.1N14 ; U1.1M14 24.65,86.85 v1(24.65,86.84) 24.62,86.86 U1.1N15 ; UD1.J3 23.4,107.99 23.5,108.09 23.5,108.11 UD1.K4 ; U1.B33 U1.A33 ; v1(25.55,87.27) 25.63,87.35 U1.1N12 ; v1(25.55,87.27) v1(25.55,87.83) ; v1(25.55,87.27) 25.47,87.35 U1.1N14 ; U1.1N14 U1.1P14 ; U1.1N14 U1.1N15 ; U1.1AC3 U1.1AA3 U1.1AA4 U1.1AA5 U1.1AA6 U1.1AA8 ; U1.1B17 23.61,81.83 23.25,81.83 v1(23.18,81.76) 23.1,81.83 22.64,81.83 U1.1B19 ; U1.1B17 U1.1C17 ; U1.1B17 U1.1A17 ; U1.1P14 U1.1P15 U1.1N15 ; U1.1P14 25.53,87.85 v1(25.55,87.83) ; U1.1P14 U1.1R14 ; U1.1AD10 27.52,92.85 v1(27.63,92.95) ; U1.1F7 U1.1F9 27.28,83.85 v1(27.14,83.71) ; U1.1L11 26.62,85.88 v1(26.59,85.85) 26.59,85.85 U1.1K12 ; U1.1L11 U1.1M11 26.54,86.93 v1(26.54,87.3) 26.49,87.35 U1.1N12 ; U1.1L11 U1.1L12 ; U1.AL37 U1.AK37 ; CD2.2 22.17,115.62 v1(22.17,115.53) ; U1.1AA8 U1.1AA10 U1.1Y10 U1.1Y11 U1.1Y12 U1.1AA12 U1.1AA14 U1.1AA16 ; U1.1AA8 U1.1Y8 ; U1.B26 22.57,79.8 v1(22.02,79.24) 21.77,79.48 U1.A28 21.46,80.09 20.84,80.09 20.57,80.35 U1.A31 ; U1.1R9 27.62,88.55 27.87,88.79 29.08,88.79 29.12,88.84 ; U1.1N9 27.62,87.15 v1(27.91,86.86) ; U1.1G5 U1.1J5 30.12,84.85 v1(30.2,84.85) 30.12,84.78 U1.1G4 ; U1.1AD14 25.52,92.85 v1(25.63,92.95) ; U1.A37 18.17,80.08 v1(17.89,79.8) 18.73,79.8 v1(18.8,79.87) ; U1.1G3 30.62,84.77 v1(30.71,84.85) ; U1.1AA16 U1.1AA17 U1.1AA18 ; U1.1AA16 U1.1Y16 U1.1Y17 ; U1.1AA18 U1.1AB18 22.7,91.85 v1(22.62,91.93) ; U1.1AA18 U1.1AA20 21.66,91.35 21.12,91.89 U1.1AC22 U1.1AD22 21.5,92.85 v1(21.63,92.97) 21.75,92.85 U1.1AD20 22.52,92.85 v1(22.63,92.95) ; U1.1G17 23.92,84.35 v1(24.23,84.05) ; U1.1N12 26.12,87.74 v1(26.11,87.75) 26.04,87.83 v1(25.55,87.83) ; U1.1N12 26.12,86.9 v1(26.16,86.86) 26.15,86.85 ; v1(29.79,113.03) 29.79,112.77 UD1.W9 29.9,112.68 v1(30.3,113.08) ; v1(25.55,114.63) 25.5,114.68 v1(24.61,114.68) ; U1.AG1 33.12,90.8 v1(33.16,90.84) ; C134.2 18.91,59.06 v1(18.9,59.05) ; 26.15,86.85 26.12,86.83 U1.1L12 ; v1(27.28,88.29) 27.18,88.29 26.57,88.9 v1(26.57,88.92) 26.54,88.95 v1(26.54,89.46) ; v1(19.6,90.36) 19.62,90.38 U1.1Y25 U1.1AB25 19.31,91.54 18.99,91.54 18.93,91.6 U1.AJ36 ; v1(12.09,94.8) 12.09,93.71 v1(12.85,92.95) ; v1(27.91,86.86) 28.12,86.65 U1.1L8 U1.1L7 28.62,85.85 U1.1J6 ; v1(27.91,86.86) 28.12,87.07 U1.1N8 ; U1.1B15 24.62,81.81 v1(25.05,81.38) ; U1.1AF24 19.76,93.85 v1(19.63,93.99) 19.49,93.85 U1.1AF26 ; v1(26.94,114.67) 26.65,114.96 UD1.P12 ; U1.B29 21.37,80.95 21.62,81.2 U1.1A21 U1.1B21 U1.1C21 21.28,82.35 21.23,82.31 20.67,82.31 U1.1C23 ; U1.1AD8 28.52,92.85 v1(28.63,92.95) ; CD1.2 25.05,117.02 v1(25.05,115.28) ; U1.1AD16 24.52,92.85 v1(24.63,92.95) ; v1(26.63,92.95) 26.52,92.85 U1.1AD12 ; U1.1T23 U1.1V23 ; v1(23.63,92.95) 23.52,92.85 U1.1AD18 ; U1.B23 23.77,80.17 23.98,79.96 25,79.96 v1(25.06,80.02) ; v1(23.82,114.69) 23.78,114.65 v1(22.37,114.65) ; v1(30.61,92.85) 30.61,92.85 U1.1AD4 29.7,92.85 v1(29.63,92.92) 29.55,92.85 U1.1AD6 ; v1(29.12,82.27) 29.04,82.35 U1.1C7 28.54,82.27 v1(28.12,82.27) 28.04,82.35 U1.1C9 ; U1.1K22 U1.1M22